# Altium PCB RFFE.PcbDoc (part 6 of 7) (continued)
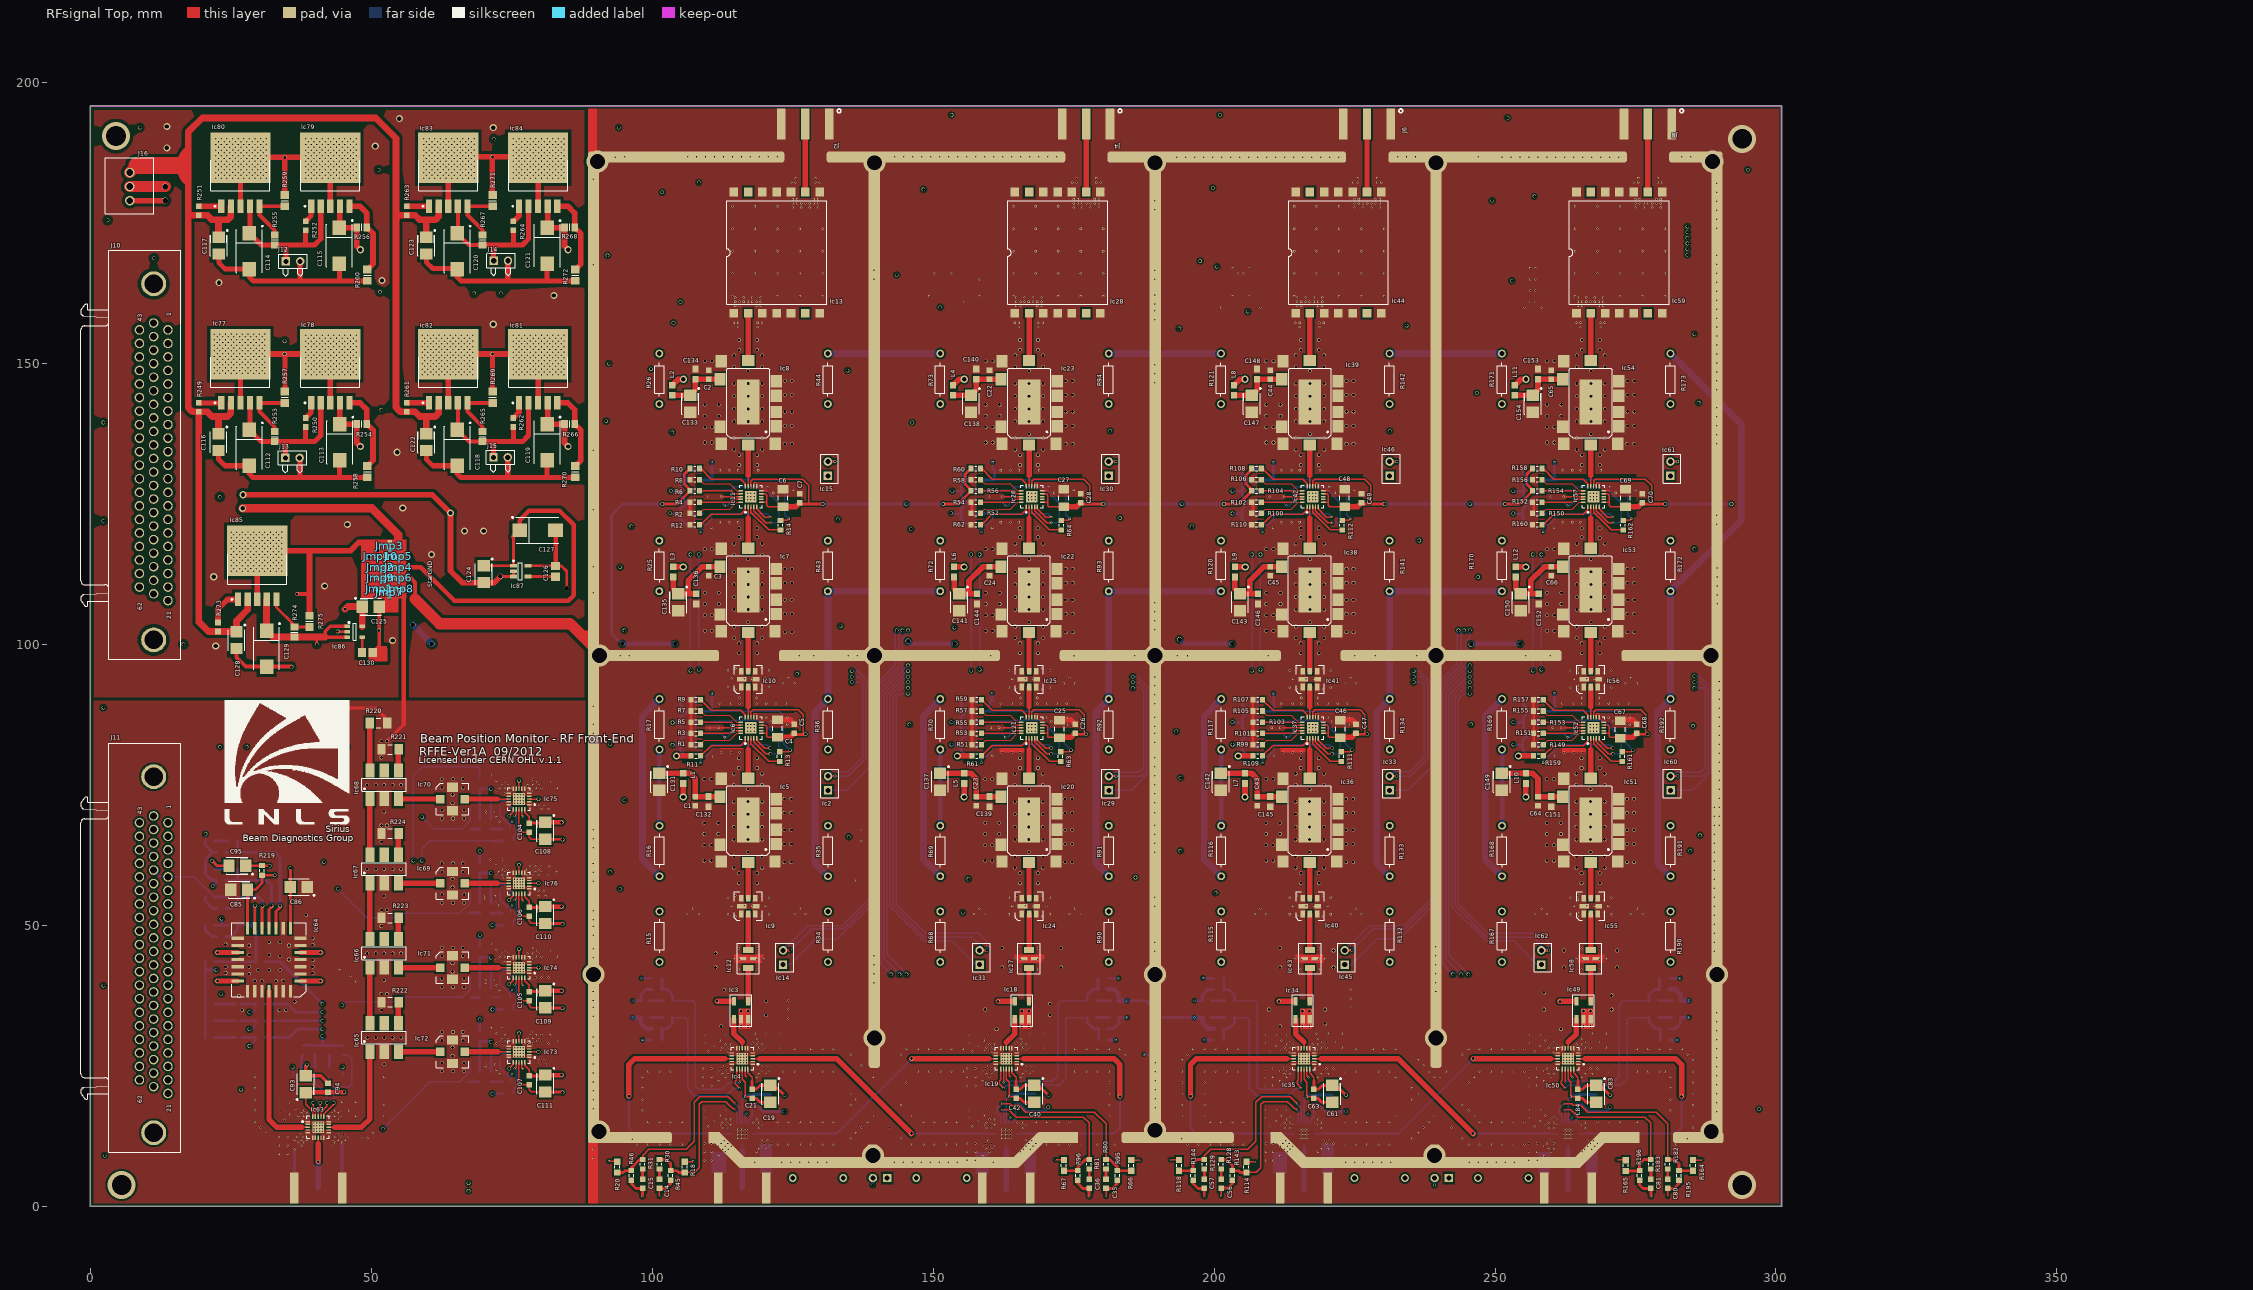
[diagram p0: RFsignal Top view]
## Nets (pads, with @x,y where several pads share a name; then routed paths per layer and width w, separated by ;. In a path a pad name is that pad's centre, name@x,y a point inside that pad or via, vN(x,y) a via of type N, cw(c..) or ccw(c..) an arc to the next point about the centre after c; other vN are vias at no path point) (continued)
  other v3: 109.25,8.15 110.5,8.15 156,8.15 157.5,8.15 209.25,8.15 210.5,8.15 256,8.15 257.5,8.15 109.25,9.65 110.5,9.65 113,9.65 118.5,9.65 156,9.65 157.5,9.65 160,9.65 165.5,9.65 209.25,9.65 210.5,9.65 213,9.65 218.5,9.65 256,9.65 257.5,9.65 260,9.65 265.5,9.65 112.5,10.15 113.5,10.15 119,10.15 120.25,10.15 159.5,10.15 160.5,10.15 166,10.15 167.25,10.15 212.5,10.15 213.5,10.15 219,10.15 220.25,10.15 259.5,10.15 260.5,10.15 266,10.15 267.25,10.15 111.75,10.65 113,10.65 114,10.65 119.5,10.65 120.75,10.65 158.75,10.65 160,10.65 161,10.65 166.5,10.65 167.75,10.65 211.75,10.65 213,10.65 214,10.65 219.5,10.65 220.75,10.65 258.75,10.65 260,10.65 261,10.65 266.5,10.65 267.75,10.65 109.25,11.15 110.5,11.15 112.25,11.15 113.4,11.15 120,11.15 121.25,11.15 156,11.15 157.5,11.15 159.25,11.15 160.4,11.15 167,11.15 168.25,11.15 209.25,11.15 210.5,11.15 212.25,11.15 213.4,11.15 220,11.15 221.25,11.15 256,11.15 257.5,11.15 259.25,11.15 260.4,11.15 267,11.15 268.25,11.15 112.75,11.65 119.5,11.65 120.5,11.65 159.75,11.65 166.5,11.65 167.5,11.65 212.75,11.65 219.5,11.65 220.5,11.65 259.75,11.65 266.5,11.65 267.5,11.65 115.25,12.15 115.75,12.15 116.25,12.15 116.75,12.15 162.25,12.15 162.75,12.15 163.25,12.15 163.75,12.15 215.25,12.15 215.75,12.15 216.25,12.15 216.75,12.15 262.25,12.15 262.75,12.15 263.25,12.15 263.75,12.15 115.25,12.65 115.75,12.65 116.25,12.65 116.75,12.65 162.25,12.65 162.75,12.65 163.25,12.65 163.75,12.65 215.25,12.65 215.75,12.65 216.25,12.65 216.75,12.65 262.25,12.65 262.75,12.65 263.25,12.65 263.75,12.65 115.25,13.15 115.75,13.15 116.25,13.15 116.75,13.15 162.25,13.15 162.75,13.15 163.25,13.15 163.75,13.15 215.25,13.15 215.75,13.15 216.25,13.15 216.75,13.15 262.25,13.15 262.75,13.15 263.25,13.15 263.75,13.15 115.25,13.65 115.75,13.65 116.25,13.65 116.75,13.65 162.25,13.65 162.75,13.65 163.25,13.65 163.75,13.65 215.25,13.65 215.75,13.65 216.25,13.65 216.75,13.65 262.25,13.65 262.75,13.65 263.25,13.65 263.75,13.65 112.5,13.9 113.4,13.9 119,13.9 159.5,13.9 160.4,13.9 166,13.9 212.5,13.9 213.4,13.9 219,13.9 259.5,13.9 260.4,13.9 266,13.9 110,14.15 157,14.15 210,14.15 257,14.15 112,14.4 113,14.4 118.5,14.4 119.5,14.4 159,14.4 160,14.4 165.5,14.4 166.5,14.4 212,14.4 213,14.4 218.5,14.4 219.5,14.4 259,14.4 260,14.4 265.5,14.4 266.5,14.4 114,14.425 161,14.425 214,14.425 261,14.425 112.5,14.9 113.5,14.9 118,14.9 119,14.9 159.5,14.9 160.5,14.9 165,14.9 166,14.9 212.5,14.9 213.5,14.9 218,14.9 219,14.9 259.5,14.9 260.5,14.9 265,14.9 266,14.9 111,15.15 158,15.15 211,15.15 258,15.15 113,15.4 114,15.4 118.5,15.4 160,15.4 161,15.4 213,15.4 214,15.4 218.5,15.4 260,15.4 261,15.4 109.25,15.65 156.25,15.65 209.25,15.65 256.25,15.65 113.5,15.9 160.5,15.9 213.5,15.9 260.5,15.9 112,16.15 159,16.15 212,16.15 259,16.15 109.25,17.15 111,17.15 113,17.15 156.25,17.15 158,17.15 160,17.15 209.25,17.15 211,17.15 213,17.15 256.25,17.15 258,17.15 260,17.15 109,21.5 110.5,21.5 156,21.5 157.5,21.5 209,21.5 210.5,21.5 256,21.5 257.5,21.5 111.75,22.25 158.75,22.25 211.75,22.25 258.75,22.25 109,23 110.5,23 113,23 118.5,23 156,23 157.5,23 160,23 165.5,23 209,23 210.5,23 213,23 218.5,23 256,23 257.5,23 260,23 265.5,23 112.5,23.5 113.5,23.5 119,23.5 120.25,23.5 159.5,23.5 160.5,23.5 166,23.5 167.25,23.5 212.5,23.5 213.5,23.5 219,23.5 220.25,23.5 259.5,23.5 260.5,23.5 266,23.5 267.25,23.5 111.75,24 113,24 114,24 119.5,24 120.75,24 158.75,24 160,24 161,24 166.5,24 167.75,24 211.75,24 213,24 214,24 219.5,24 220.75,24 258.75,24 260,24 261,24 266.5,24 267.75,24 109,24.5 110.5,24.5 112.25,24.5 113.4,24.5 120,24.5 121.25,24.5 156,24.5 157.5,24.5 159.25,24.5 160.4,24.5 167,24.5 168.25,24.5 209,24.5 210.5,24.5 212.25,24.5 213.4,24.5 220,24.5 221.25,24.5 256,24.5 257.5,24.5 259.25,24.5 260.4,24.5 267,24.5 268.25,24.5 112.75,25 119.5,25 120.5,25 159.75,25 166.5,25 167.5,25 212.75,25 219.5,25 220.5,25 259.75,25 266.5,25 267.5,25 115.25,25.5 115.75,25.5 116.25,25.5 116.75,25.5 162.25,25.5 162.75,25.5 163.25,25.5 163.75,25.5 215.25,25.5 215.75,25.5 216.25,25.5 216.75,25.5 262.25,25.5 262.75,25.5 263.25,25.5 263.75,25.5 115.25,26 115.75,26 116.25,26 116.75,26 162.25,26 162.75,26 163.25,26 163.75,26 215.25,26 215.75,26 216.25,26 216.75,26 262.25,26 262.75,26 263.25,26 263.75,26 115.25,26.5 115.75,26.5 116.25,26.5 116.75,26.5 162.25,26.5 162.75,26.5 163.25,26.5 163.75,26.5 215.25,26.5 215.75,26.5 216.25,26.5 216.75,26.5 262.25,26.5 262.75,26.5 263.25,26.5 263.75,26.5 115.25,27 115.75,27 116.25,27 116.75,27 162.25,27 162.75,27 163.25,27 163.75,27 215.25,27 215.75,27 216.25,27 216.75,27 262.25,27 262.75,27 263.25,27 263.75,27 113.4,27.25 160.4,27.25 213.4,27.25 260.4,27.25 110,27.5 157,27.5 210,27.5 257,27.5 112,27.75 113,27.75 117.5,27.75 118.5,27.75 119.5,27.75 121.25,27.75 159,27.75 160,27.75 164.5,27.75 165.5,27.75 166.5,27.75 168.25,27.75 212,27.75 213,27.75 217.5,27.75 218.5,27.75 219.5,27.75 221.25,27.75 259,27.75 260,27.75 264.5,27.75 265.5,27.75 266.5,27.75 268.25,27.75 114,27.775 161,27.775 214,27.775 261,27.775 112.5,28.25 113.5,28.25 114.475,28.25 118,28.25 119,28.25 120,28.25 122.75,28.25 159.5,28.25 160.5,28.25 161.475,28.25 165,28.25 166,28.25 167,28.25 169.75,28.25 212.5,28.25 213.5,28.25 214.475,28.25 218,28.25 219,28.25 220,28.25 222.75,28.25 259.5,28.25 260.5,28.25 261.475,28.25 265,28.25 266,28.25 267,28.25 269.75,28.25 111,28.5 158,28.5 211,28.5 258,28.5 113,28.75 114,28.75 117.5,28.75 118.5,28.75 119.5,28.75 160,28.75 161,28.75 164.5,28.75 165.5,28.75 166.5,28.75 213,28.75 214,28.75 217.5,28.75 218.5,28.75 219.5,28.75 260,28.75 261,28.75 264.5,28.75 265.5,28.75 266.5,28.75 109.25,29 156.25,29 209.25,29 256.25,29 113.5,29.25 118,29.25 119,29.25 120,29.25 121.5,29.25 160.5,29.25 165,29.25 166,29.25 167,29.25 168.5,29.25 213.5,29.25 218,29.25 219,29.25 220,29.25 221.5,29.25 260.5,29.25 265,29.25 266,29.25 267,29.25 268.5,29.25 112,29.5 159,29.5 212,29.5 259,29.5 118.5,29.75 165.5,29.75 218.5,29.75 265.5,29.75 109.25,30.5 111,30.5 113,30.5 156.25,30.5 158,30.5 160,30.5 209.25,30.5 211,30.5 213,30.5 256.25,30.5 258,30.5 260,30.5 118.25,30.75 120.25,30.75 122.75,30.75 167.25,30.75 169.75,30.75 218.25,30.75 220.25,30.75 222.75,30.75 267.25,30.75 269.75,30.75 115.4,42.115 118.65,42.115 165.4,42.115 168.65,42.115 215.4,42.115 218.65,42.115 265.4,42.115 268.65,42.115 114.5,43.965 119.75,43.965 164.5,43.965 169.75,43.965 214.5,43.965 219.75,43.965 264.5,43.965 269.75,43.965 115.56,43.985 118.56,43.985 165.56,43.985 168.56,43.985 215.56,43.985 218.56,43.985 265.56,43.985 268.56,43.985 115.4,45.865 118.65,45.865 165.4,45.865 168.65,45.865 215.4,45.865 218.65,45.865 265.4,45.865 268.65,45.865
  other v4: 114.75,51.55 119.4,51.55 164.75,51.55 169.4,51.55 214.75,51.55 219.4,51.55 264.75,51.55 269.4,51.55 113.45,51.95 120.75,51.95 163.45,51.95 170.75,51.95 213.45,51.95 220.75,51.95 263.45,51.95 270.75,51.95 264.75,52.3 269.4,52.3 114.05,53.45 116.35,53.45 117.75,53.45 120.15,53.45 164.05,53.45 166.35,53.45 167.75,53.45 170.15,53.45 214.05,53.45 216.35,53.45 217.75,53.45 220.15,53.45 264.05,53.45 266.35,53.45 267.75,53.45 270.15,53.45 264.75,54.55 269.4,54.55 113.45,54.95 120.75,54.95 163.45,54.95 170.75,54.95 213.45,54.95 220.75,54.95 263.45,54.95 270.75,54.95 114.75,55.3 119.4,55.3 164.75,55.3 169.4,55.3 214.75,55.3 219.4,55.3 264.75,55.3 269.4,55.3 110.8,80.05 160.5,80.25 210.66,80.25 260.71,80.25 112.25,80.75 114,80.75 115.5,80.75 162.25,80.75 164,80.75 165.5,80.75 212.25,80.75 214,80.75 215.5,80.75 262.25,80.75 264,80.75 265.5,80.75 116.956,84.57 117.54,84.57 118.124,84.57 166.956,84.57 167.54,84.57 168.124,84.57 216.956,84.57 217.54,84.57 218.124,84.57 266.956,84.57 267.54,84.57 268.124,84.57 110.25,85.15 111.75,85.15 116.956,85.154 117.54,85.154 118.124,85.154 160.25,85.15 161.75,85.15 166.956,85.154 167.54,85.154 168.124,85.154 210.25,85.15 211.75,85.15 216.956,85.154 217.54,85.154 218.124,85.154 260.25,85.15 261.75,85.15 266.956,85.154 267.54,85.154 268.124,85.154 116.956,85.738 117.54,85.738 118.124,85.738 166.956,85.738 167.54,85.738 168.124,85.738 216.956,85.738 217.54,85.738 218.124,85.738 266.956,85.738 267.54,85.738 268.124,85.738 124,85.75 174,85.75 224,85.75 274,85.75 121,86.25 171,86.25 221,86.25 271,86.25 120.25,87 124,87 170.25,87 174,87 220.25,87 224,87 270.25,87 274,87 111.95,89.5 114,89.5 115.5,89.5 118.5,89.5 120.25,89.5 122,89.5 123.75,89.5 161.95,89.5 164,89.5 165.5,89.5 168.5,89.5 170.25,89.5 172,89.5 173.75,89.5 211.95,89.5 214,89.5 215.5,89.5 218.5,89.5 220.25,89.5 222,89.5 223.75,89.5 261.95,89.5 264,89.5 265.5,89.5 268.5,89.5 270.25,89.5 272,89.5 273.75,89.5 115.5,90.5 118.5,90.5 165.5,90.5 168.5,90.5 215.5,90.5 218.5,90.5 265.5,90.5 268.5,90.5 164.75,91.95 169.4,91.95 214.75,91.95 219.4,91.95 264.75,91.95 269.4,91.95 114.75,92 119.4,92 163.45,92.35 170.75,92.35 213.45,92.35 220.75,92.35 263.45,92.35 270.75,92.35 113.45,92.4 120.75,92.4 264.75,92.7 269.4,92.7 116.35,93.85 117.75,93.85 164.05,93.85 166.35,93.85 167.75,93.85 170.15,93.85 214.05,93.85 216.35,93.85 217.75,93.85 220.15,93.85 264.05,93.85 266.35,93.85 267.75,93.85 270.15,93.85 114.05,93.9 120.15,93.9 264.75,94.95 269.4,94.95 163.45,95.35 170.75,95.35 213.45,95.35 220.75,95.35 263.45,95.35 270.75,95.35 113.45,95.4 120.75,95.4 164.75,95.7 169.4,95.7 214.75,95.7 219.4,95.7 264.75,95.7 269.4,95.7 114.75,95.75 119.4,95.75 110.5,120.75 160.5,120.75 210.5,120.75 260.5,120.75 112,121.75 113.75,121.75 115.25,121.75 162,121.75 163.75,121.75 165.25,121.75 212,121.75 213.75,121.75 215.25,121.75 262,121.75 263.75,121.75 265.25,121.75 116.95,125.732 117.534,125.732 118.118,125.732 166.95,125.732 167.534,125.732 168.118,125.732 216.95,125.732 217.534,125.732 218.118,125.732 266.95,125.732 267.534,125.732 268.118,125.732 116.95,126.316 117.534,126.316 118.118,126.316 166.95,126.316 167.534,126.316 168.118,126.316 216.95,126.316 217.534,126.316 218.118,126.316 266.95,126.316 267.534,126.316 268.118,126.316 109.9,126.35 159.9,126.35 209.9,126.35 259.9,126.35 116.95,126.9 117.534,126.9 118.118,126.9 166.95,126.9 167.534,126.9 168.118,126.9 216.95,126.9 217.534,126.9 218.118,126.9 266.95,126.9 267.534,126.9 268.118,126.9 121.5,127 171.5,127 221.5,127 271.5,127 125,127.5 175,127.5 225,127.5 275,127.5 120.5,128 170.5,128 220.5,128 270.5,128 112,131 113.75,131 115.25,131 118.85,131 162,131 163.75,131 165.25,131 168.85,131 212,131 213.75,131 215.25,131 218.85,131 262,131 263.75,131 265.25,131 268.85,131 115.25,156.5 118.75,156.5 165.25,156.5 168.75,156.5 215.25,156.5 218.75,156.5 265.25,156.5 268.75,156.5 114.5,157.25 115.25,157.25 118.75,157.25 119.5,157.25 164.5,157.25 165.25,157.25 168.75,157.25 169.5,157.25 214.5,157.25 215.25,157.25 218.75,157.25 219.5,157.25 264.5,157.25 265.25,157.25 268.75,157.25 269.5,157.25 114.75,160.25 115.5,160.25 118.5,160.25 119.25,160.25 164.75,160.25 165.5,160.25 168.5,160.25 169.25,160.25 214.75,160.25 215.5,160.25 218.5,160.25 219.25,160.25 264.75,160.25 265.5,160.25 268.5,160.25 269.25,160.25 114.75,161 115.5,161 116.25,161 117,161 117.75,161 118.5,161 119.25,161 164.75,161 165.5,161 166.25,161 167,161 167.75,161 168.5,161 169.25,161 214.75,161 215.5,161 216.25,161 217,161 217.75,161 218.5,161 219.25,161 264.75,161 265.5,161 266.25,161 267,161 267.75,161 268.5,161 269.25,161 114.75,161.75 116.25,161.75 117.75,161.75 119.25,161.75 164.75,161.75 166.25,161.75 167.75,161.75 169.25,161.75 214.75,161.75 216.25,161.75 217.75,161.75 219.25,161.75 264.75,161.75 266.25,161.75 267.75,161.75 269.25,161.75 114.25,162 122.25,162 126.25,162 130.25,162 164.25,162 172.25,162 176.25,162 180.25,162 214.25,162 222.25,162 226.25,162 230.25,162 264.25,162 272.25,162 276.25,162 280.25,162 114.25,166 118.25,166 122.25,166 126.25,166 130.25,166 164.25,166 168.25,166 172.25,166 176.25,166 180.25,166 214.25,166 218.25,166 222.25,166 226.25,166 230.25,166 264.25,166 268.25,166 272.25,166 276.25,166 280.25,166 114.25,170 118.25,170 122.25,170 126.25,170 130.25,170 164.25,170 168.25,170 172.25,170 176.25,170 180.25,170 214.25,170 218.25,170 222.25,170 226.25,170 230.25,170 264.25,170 268.25,170 272.25,170 276.25,170 280.25,170 114.25,174 118.25,174 122.25,174 126.25,174 130.25,174 164.25,174 168.25,174 172.25,174 176.25,174 180.25,174 214.25,174 218.25,174 222.25,174 226.25,174 230.25,174 264.25,174 268.25,174 272.25,174 276.25,174 280.25,174 125,177.75 126.5,177.75 128,177.75 129.5,177.75 175,177.75 176.5,177.75 178,177.75 179.5,177.75 225,177.75 226.5,177.75 228,177.75 229.5,177.75 275,177.75 276.5,177.75 278,177.75 279.5,177.75 114.25,178 118.25,178 122.25,178 164.25,178 168.25,178 172.25,178 214.25,178 218.25,178 222.25,178 264.25,178 268.25,178 272.25,178 125,178.5 125.75,178.5 126.5,178.5 127.25,178.5 128,178.5 128.75,178.5 129.5,178.5 175,178.5 175.75,178.5 176.5,178.5 177.25,178.5 178,178.5 178.75,178.5 179.5,178.5 225,178.5 225.75,178.5 226.5,178.5 227.25,178.5 228,178.5 228.75,178.5 229.5,178.5 275,178.5 275.75,178.5 276.5,178.5 277.25,178.5 278,178.5 278.75,178.5 279.5,178.5 125,179.25 125.75,179.25 128.75,179.25 129.5,179.25 175,179.25 175.75,179.25 178.75,179.25 179.5,179.25 225,179.25 225.75,179.25 228.75,179.25 229.5,179.25 275,179.25 275.75,179.25 278.75,179.25 279.5,179.25 124.75,182.25 125.5,182.25 129,182.25 129.75,182.25 174.75,182.25 175.5,182.25 179,182.25 179.75,182.25 224.75,182.25 225.5,182.25 229,182.25 229.75,182.25 274.75,182.25 275.5,182.25 279,182.25 279.75,182.25 125.5,183 129,183 175.5,183 179,183 225.5,183 229,183 275.5,183 279,183
  other v6: 139.25,9 239.25,9 90.5,13.25 288.5,13.25 189.5,13.5 139.5,29.9 239.5,29.9 89.5,41.25 189.5,41.25 289.5,41.25 90.55,98 139.5,98 189.5,98 239.5,98 288.45,98 139.5,185.75 189.5,185.75 239.5,185.75 90.25,186 288.75,186
  other v10: 5.504,3.75 294,3.75 294,190 4.5,190.5
TGND: J10.20 J10.34 J10.35 J10.41 J10.52 J10.53 J10.54 J10.55 J10.60 J10.63 J10.64 R15.1 R16.1 R17.1 R25.1 R26.1 R34.1 R35.1 R36.1 R43.1 R44.1 R49.1 R50.1 R68.1 R69.1 R70.1 R72.1 R73.1 R90.1 R91.1 R92.1 R93.1 R94.1 R115.1 R116.1 R117.1 R120.1 R121.1 R132.1 R133.1 R134.1 R141.1 R142.1 R147.1 R148.1 R167.1 R168.1 R169.1 R170.1 R171.1 R172.1 R173.1 R190.1 R191.1 R192.1 | length 1554.9
  Supply w1: R26.1@101.23,151.775 104.925,155.47 127.535,155.47 R44.1@131.23,151.775 ; R73.1@151.23,151.775 154.925,155.47 177.535,155.47 R94.1@181.23,151.775 ; R121.1@201.23,151.775 204.925,155.47 227.535,155.47 R142.1@231.23,151.775 ; R171.1@251.23,151.775 254.925,155.47 277.535,155.47 R173.1@281.23,151.775
  Supply w1.2: J10.60@8.67,115.03 6.72,115.03 5.75,114.06 5.75,103.2 8.14,100.81 J10.63@11.21,100.81 14.66,100.81 16.65,102.8 16.65,108.9 15.34,110.21 J10.20@13.75,110.21 ; R17.1@101.23,90.295 R17.1@101.25,90.275 ; R16.1@101.25,58.725 99.875,58.725 97.85,56.7 97.85,46.875 R15.1@101.25,43.475 106.575,43.475 109.642,40.408 124.758,40.408 127.825,43.475 R34.1@131.25,43.475 132.625,43.475 134.65,45.5 134.65,51.309 ; R43.1@131.23,109.475 138.95,117.195 138.95,148 135.175,151.775 R44.1@131.23,151.775 ; R35.1@131.25,58.725 132.425,58.725 134.65,56.5 134.65,51.309 ; R49.1@133.965,5 136.665,2.3 144.275,2.3 R50.1@146.975,5 ; 147.696,51.309 134.65,51.309 ; R69.1@151.25,58.725 149.875,58.725 147.85,56.7 147.85,46.875 R68.1@151.25,43.475 154.403,40.322 174.672,40.322 177.825,43.475 182.625,43.475 184.65,45.5 184.65,51.06 ; R70.1@151.25,90.275 R72.1@151.25,109.455 ; R93.1@181.23,109.475 188.95,117.195 188.95,144.055 R94.1@181.23,151.775 ; R91.1@181.25,58.725 182.425,58.725 184.65,56.5 184.65,51.06 ; 197.663,51.06 184.65,51.06 ; R117.1@201.23,90.295 R120.1@201.23,109.475 ; R116.1@201.25,58.725 199.875,58.725 197.85,56.7 197.85,46.875 R115.1@201.25,43.475 206.575,43.475 209.516,40.534 224.884,40.534 227.825,43.475 R132.1@231.25,43.475 232.625,43.475 234.65,45.5 234.65,50.962 ; R141.1@231.23,109.475 238.95,117.195 238.95,144.055 R142.1@231.23,151.775 ; R133.1@231.25,58.725 232.425,58.725 234.65,56.5 234.65,50.962 ; R147.1@233.965,5 236.765,2.2 244.175,2.2 R148.1@246.975,5 ; R170.1@251.23,109.475 251.25,109.455 R169.1@251.25,90.275 ; R168.1@251.25,58.725 249.875,58.725 247.85,56.7 247.85,50.962 ; R191.1@281.25,58.725 282.425,58.725 284.65,56.5 284.65,45.5 282.625,43.475 277.825,43.475 274.218,39.868 254.857,39.868 R167.1@251.25,43.475 247.85,46.875 247.85,50.962 ; 234.65,50.962 247.85,50.962
  Supply w2: R17.1@101.23,90.295 R25.1@101.23,109.475
  CallTone RF w1.2: J10.52@8.67,134.31 J10.53@8.67,131.9 J10.54@8.67,129.49 ; J10.41@11.21,111.415 12.415,110.21 J10.20@13.75,110.21 ; J10.54@8.67,129.49 J10.55@8.67,127.08 9.875,125.875 J10.35@11.21,125.875 J10.34@11.21,128.285 10.005,129.49 J10.54@8.67,129.49
  CallTone RF w2: J10.20@13.75,110.21 17.62,110.21 ; 98.822,109.624 98.822,129.228 106.082,136.488 106.082,141.964 102.433,145.613 102.433,150.572 R26.1@101.23,151.775
  CallTone RF w2.5: 17.62,110.21 23.562,104.268 48.196,104.268 49.657,105.729 89.697,105.729 93.443,109.475 R25.1@101.23,109.475
  Digital signal w1.2: J10.60@8.67,115.03 7.12,115.03 5.65,116.5 5.65,125.5 7.23,127.08 J10.55@8.67,127.08 ; J10.52@8.67,134.31 7.24,134.31 6.05,135.5 6.05,159.04 J10.64@11.21,164.2 ; R34.1@131.25,43.475 133.965,40.76 R49.1@133.965,5 ; R132.1@231.25,43.475 233.965,40.76 R147.1@233.965,5
  RFsignal Bottom w1.2: R16.1@101.25,58.725 98.25,61.725 98.25,87.275 R17.1@101.25,90.275 ; R43.1@131.23,109.475 R72.1@151.23,109.475 ; R44.1@131.23,151.775 R73.1@151.23,151.775 ; R35.1@131.25,58.725 128.95,61.025 128.95,87.975 R36.1@131.25,90.275 R43.1@131.25,109.455 ; R69.1@151.25,58.725 148.25,61.725 148.25,87.275 R70.1@151.25,90.275 ; R92.1@181.23,90.295 R93.1@181.23,109.475 R120.1@201.23,109.475 ; R94.1@181.23,151.775 R121.1@201.23,151.775 ; R91.1@181.25,58.725 178.95,61.025 178.95,87.975 R92.1@181.25,90.275 ; R116.1@201.25,58.725 198.25,61.725 198.25,87.275 R117.1@201.25,90.275 ; R141.1@231.23,109.475 R170.1@251.23,109.475 ; R142.1@231.23,151.775 R171.1@251.23,151.775 ; R133.1@231.25,58.725 228.95,61.025 228.95,87.975 R134.1@231.25,90.275 R141.1@231.25,109.455 ; R168.1@251.25,58.725 248.25,61.725 248.25,87.275 R169.1@251.25,90.275 ; R192.1@281.23,90.295 R172.1@281.23,109.475 293.85,122.095 293.85,139.155 R173.1@281.23,151.775 ; R191.1@281.25,58.725 278.95,61.025 278.95,87.975 R192.1@281.25,90.275
V-GND: C124.1 C127.1 Ic87.1 Jmp4.1 | length 71.1
  RFsignal Top w0.508: C124.1@69.95,114 Ic87.1@75.25,114 C127.1@75.25,119.2
  RFsignal Top w0.8: Jmp4.1@55.5,113.75 58.75,113.75 64.75,107.75 85,107.75 85.966,108.716 85.966,121.284 83.5,123.75 78,123.75 76.35,122.1 C127.1@76.35,120.3 C127.1@75.25,119.2
pads on no net: Ic5.13 Ic5.14 Ic5.15 Ic5.16 Ic5.17 Ic5.18 Ic5.19 Ic5.20 Ic6.7 Ic6.8 Ic7.13 Ic7.14 Ic7.15 Ic7.16 Ic7.17 Ic7.18 Ic7.19 Ic7.20 Ic8.13 Ic8.14 Ic8.15 Ic8.16 Ic8.17 Ic8.18 Ic8.19 Ic8.20 Ic11.7 Ic11.8 Ic13.6 Ic13.13 Ic20.13 Ic20.14 Ic20.15 Ic20.16 Ic20.17 Ic20.18 Ic20.19 Ic20.20 Ic21.7 Ic21.8 Ic22.13 Ic22.14 Ic22.15 Ic22.16 Ic22.17 Ic22.18 Ic22.19 Ic22.20 Ic23.13 Ic23.14 Ic23.15 Ic23.16 Ic23.17 Ic23.18 Ic23.19 Ic23.20 Ic26.7 Ic26.8 Ic28.6 Ic28.13 Ic36.13 Ic36.14 Ic36.15 Ic36.16 Ic36.17 Ic36.18 Ic36.19 Ic36.20 Ic37.7 Ic37.8 Ic38.13 Ic38.14 Ic38.15 Ic38.16 Ic38.17 Ic38.18 Ic38.19 Ic38.20 Ic39.13 Ic39.14 Ic39.15 Ic39.16 Ic39.17 Ic39.18 Ic39.19 Ic39.20 Ic42.7 Ic42.8 Ic44.6 Ic44.13 Ic51.13 Ic51.14 Ic51.15 Ic51.16 Ic51.17 Ic51.18 Ic51.19 Ic51.20 Ic52.7 Ic52.8 Ic53.13 Ic53.14 Ic53.15 Ic53.16 Ic53.17 Ic53.18 Ic53.19 Ic53.20 Ic54.13 Ic54.14 Ic54.15 Ic54.16 Ic54.17 Ic54.18 Ic54.19 Ic54.20 Ic57.7 Ic57.8 Ic59.6 Ic59.13 Ic65.5 Ic66.5 Ic67.5 Ic68.5 J10.36

## Polygon pours and split planes (outlines as drawn)
3VGND on RFsignal Top "Top Layer-No Net" (solid, pour order 109): 0.575,90 0.575,195.392 88.5,195.392 88.5,90.197 88.5,90 0.575,90
RFGND on RFsignal Top "Top Layer-No Net" (solid, pour order 140): 267.75,122.67 267.75,120 276.5,120 276.5,122.67 267.75,122.67
RFGND on RFsignal Top "Top Layer-No Net" (solid, pour order 105): 187.766,0.503 187.766,31.751 191.13,31.751 191.13,0.501 191.13,0.503 187.766,0.503
PGND on RFsignal Top "Top Layer-No Net" (solid, pour order 99): 67.5,90 67.5,17.5 87.55,17.5 88.05,17.5 88.05,90 67.5,90
PGND on RFsignal Top "Top Layer-No Net" (solid, pour order 171): 19.75,0.5 0.575,0.5 0.575,90 19.75,90 19.75,0.5
RFGND on RFsignal Top "Top Layer-No Net" (solid, pour order 165): 266.22,120 266.22,122.39 257.58,122.39 257.64,122.39 257.64,130.22 257.64,130.35 275.08,130.35 275.25,130.35 275.25,133.3 275.25,133.51 252.48,133.51 252.48,120.23 252.48,120 266.22,120
RFGND on RFsignal Top "Top Layer-No Net" (solid, pour order 166): 216.22,120 216.22,122.39 207.58,122.39 207.64,122.39 207.64,130.22 207.64,130.35 225.08,130.35 225.25,130.35 225.25,133.3 225.25,133.51 202.48,133.51 202.48,120.23 202.48,120 216.22,120
RFGND on RFsignal Top "Top Layer-No Net" (solid, pour order 167): 166.22,120 166.22,122.39 157.58,122.39 157.64,122.39 157.64,130.22 157.64,130.35 175.08,130.35 175.25,130.35 175.25,133.3 175.25,133.51 152.48,133.51 152.48,120.23 152.48,120 166.22,120
RFGND on RFsignal Top "Top Layer-No Net" (solid, pour order 168): 116.22,120 116.22,122.39 107.58,122.39 107.64,122.39 107.64,130.22 107.64,130.35 125.08,130.35 125.25,130.35 125.25,133.3 125.25,133.51 102.48,133.51 102.48,120.23 102.48,120 116.22,120
PGND on RFsignal Top "Top Layer-No Net" (solid, pour order 164): 19.75,22.75 19.75,0.5 88.312,0.5 88.06,0.5 88.06,17.5 67.859,17.5 67.859,22.75 19.75,22.75
PGND on RFsignal Top "Top Layer-No Net" (solid, pour order 163): 45.25,48.196 45.25,22.75 18.5,22.75 19.75,22.75 19.75,48.196 45.25,48.196
RFGND on RFsignal Top "Top Layer-No Net" (solid, remove dead copper, pour order 144): 268.417,127.76 268.417,128.91 270.783,128.91 277.528,128.91 277.528,126.326 277.528,126.302 275.395,126.302 270.012,126.302 270.012,127.194 270.012,127.32 269.04,127.32 268.978,127.32 268.978,127.762 268.978,127.758 268.415,127.758
RFGND on RFsignal Top "Top Layer-No Net" (solid, pour order 123): 256.89,127.32 256.89,125.32 265,125.32 264.75,125.32 264.75,127.32 256.89,127.32
RFGND on RFsignal Top "Top Layer-No Net" (solid, remove dead copper, pour order 145): 218.417,127.76 218.417,128.91 220.783,128.91 227.528,128.91 227.528,126.326 227.528,126.302 225.395,126.302 220.012,126.302 220.012,127.194 220.012,127.32 219.04,127.32 218.978,127.32 218.978,127.762 218.978,127.758 218.415,127.758
RFGND on RFsignal Top "Top Layer-No Net" (solid, pour order 141): 217.75,122.67 217.75,120 226.5,120 226.5,122.67 217.75,122.67
RFGND on RFsignal Top "Top Layer-No Net" (solid, pour order 125): 206.89,127.32 206.89,125.32 215,125.32 214.75,125.32 214.75,127.32 206.89,127.32
RFGND on RFsignal Top "Top Layer-No Net" (solid, remove dead copper, pour order 146): 168.417,127.76 168.417,128.91 170.783,128.91 177.528,128.91 177.528,126.326 177.528,126.302 175.395,126.302 170.012,126.302 170.012,127.194 170.012,127.32 169.04,127.32 168.978,127.32 168.978,127.762 168.978,127.758 168.415,127.758
RFGND on RFsignal Top "Top Layer-No Net" (solid, pour order 142): 167.75,122.67 167.75,119.67 176.5,119.67 176.5,122.67 167.75,122.67
RFGND on RFsignal Top "Top Layer-No Net" (solid, pour order 126): 156.89,127.32 156.89,125.32 165,125.32 164.75,125.32 164.75,127.32 156.89,127.32
RFGND on RFsignal Top "Top Layer-No Net" (solid, remove dead copper, pour order 147): 118.417,127.76 118.417,128.91 120.783,128.91 127.528,128.91 127.528,126.326 127.528,126.302 125.395,126.302 120.012,126.302 120.012,127.194 120.012,127.32 119.04,127.32 118.978,127.32 118.978,127.762 118.978,127.758 118.415,127.758
RFGND on RFsignal Top "Top Layer-No Net" (solid, pour order 143): 117.75,122.67 117.75,119.67 126.5,119.67 126.5,122.67 117.75,122.67
RFGND on RFsignal Top "Top Layer-No Net" (solid, pour order 127): 106.89,127.32 106.89,125.32 115,125.32 114.75,125.32 114.75,127.32 106.89,127.32
RFGND on RFsignal Top "Top Layer-No Net" (solid, pour order 136): 255.25,91.25 255.25,78.75 279,78.75 279,81.25 262,81.25 262,89.25 262,89 276.5,89 276.5,91.5 255.25,91.5 255.25,91.25
RFGND on RFsignal Top "Top Layer-No Net" (solid, remove dead copper, pour order 132): 268.917,86 268.917,86.6 268.415,86.6 268.415,88 268.415,88.1 276.85,88.1 276.85,85.3 276.85,85.2 270.775,85.2 270.624,85.2 270.624,86 268.917,86
RFGND on RFsignal Top "Top Layer-No Net" (solid, pour order 128): 256.89,86.15 256.89,84.15 265,84.15 264.75,84.15 264.75,86.15 256.89,86.15
RFGND on RFsignal Top "Top Layer-No Net" (solid, pour order 137): 205.25,91.25 205.25,78.75 229,78.75 229,81.25 212,81.25 212,89.25 212,89 226.5,89 226.5,91.5 205.25,91.5 205.25,91.25
RFGND on RFsignal Top "Top Layer-No Net" (solid, remove dead copper, pour order 133): 218.917,86 218.917,86.6 218.415,86.6 218.415,88 218.415,88.1 226.85,88.1 226.85,85.3 226.85,85.2 220.775,85.2 220.624,85.2 220.624,86 218.917,86
RFGND on RFsignal Top "Top Layer-No Net" (solid, pour order 129): 206.89,86.15 206.89,84.15 215,84.15 214.75,84.15 214.75,86.15 206.89,86.15
RFGND on RFsignal Top "Top Layer-No Net" (solid, pour order 138): 155.25,91.25 155.25,78.75 179,78.75 179,81.25 162,81.25 162,89.25 162,89 176.5,89 176.5,91.5 155.25,91.5 155.25,91.25
RFGND on RFsignal Top "Top Layer-No Net" (solid, remove dead copper, pour order 134): 168.917,86 168.917,86.6 168.415,86.6 168.415,88 168.415,88.1 176.85,88.1 176.85,85.3 176.85,85.2 170.775,85.2 170.624,85.2 170.624,86 168.917,86
RFGND on RFsignal Top "Top Layer-No Net" (solid, pour order 130): 156.89,86.15 156.89,84.15 165,84.15 164.75,84.15 164.75,86.15 156.89,86.15
RFGND on RFsignal Top "Top Layer-No Net" (solid, pour order 139): 105.25,91.25 105.25,78.75 129,78.75 129,81.25 112,81.25 112,89.25 112,89 126.5,89 126.5,91.5 105.25,91.5 105.25,91.25
RFGND on RFsignal Top "Top Layer-No Net" (solid, remove dead copper, pour order 135): 118.917,86 118.917,86.6 118.415,86.6 118.415,88 118.415,88.1 126.85,88.1 126.85,85.3 126.85,85.2 120.775,85.2 120.624,85.2 120.624,86 118.917,86
RFGND on RFsignal Top "Top Layer-No Net" (solid, pour order 131): 106.89,86.15 106.89,84.15 115,84.15 114.75,84.15 114.75,86.15 106.89,86.15
RFGND on RFsignal Top "Top Layer-No Net" (solid, remove dead copper, pour order 119): 107,153.75 107,132.5 125.25,132.5 125.25,153.75 107,153.75
RFGND on RFsignal Top "Top Layer-No Net" (solid, remove dead copper, pour order 120): 157,153.75 157,132.5 175.25,132.5 175.25,153.75 157,153.75
RFGND on RFsignal Top "Top Layer-No Net" (solid, remove dead copper, pour order 121): 207,153.75 207,132.5 225.25,132.5 225.25,153.75 207,153.75
RFGND on RFsignal Top "Top Layer-No Net" (solid, remove dead copper, pour order 122): 257,153.75 257,132.5 275.25,132.5 275.25,153.75 257,153.75